# Altium PCB lamp_controller.PcbDoc (part 3 of 3)
Units mm, origin at the board's own origin, x right, y up, seen from the top; angles counter-clockwise.
Board outline 70 x 65 mm, 4 copper layers (Top Layer, Signal Layer 1, Signal Layer 2, Bottom Layer), stack 1.518 mm thick; 211 components, 110 nets, 730 pads, 417 vias.
Unrouted connection lines stored in the file: 21.
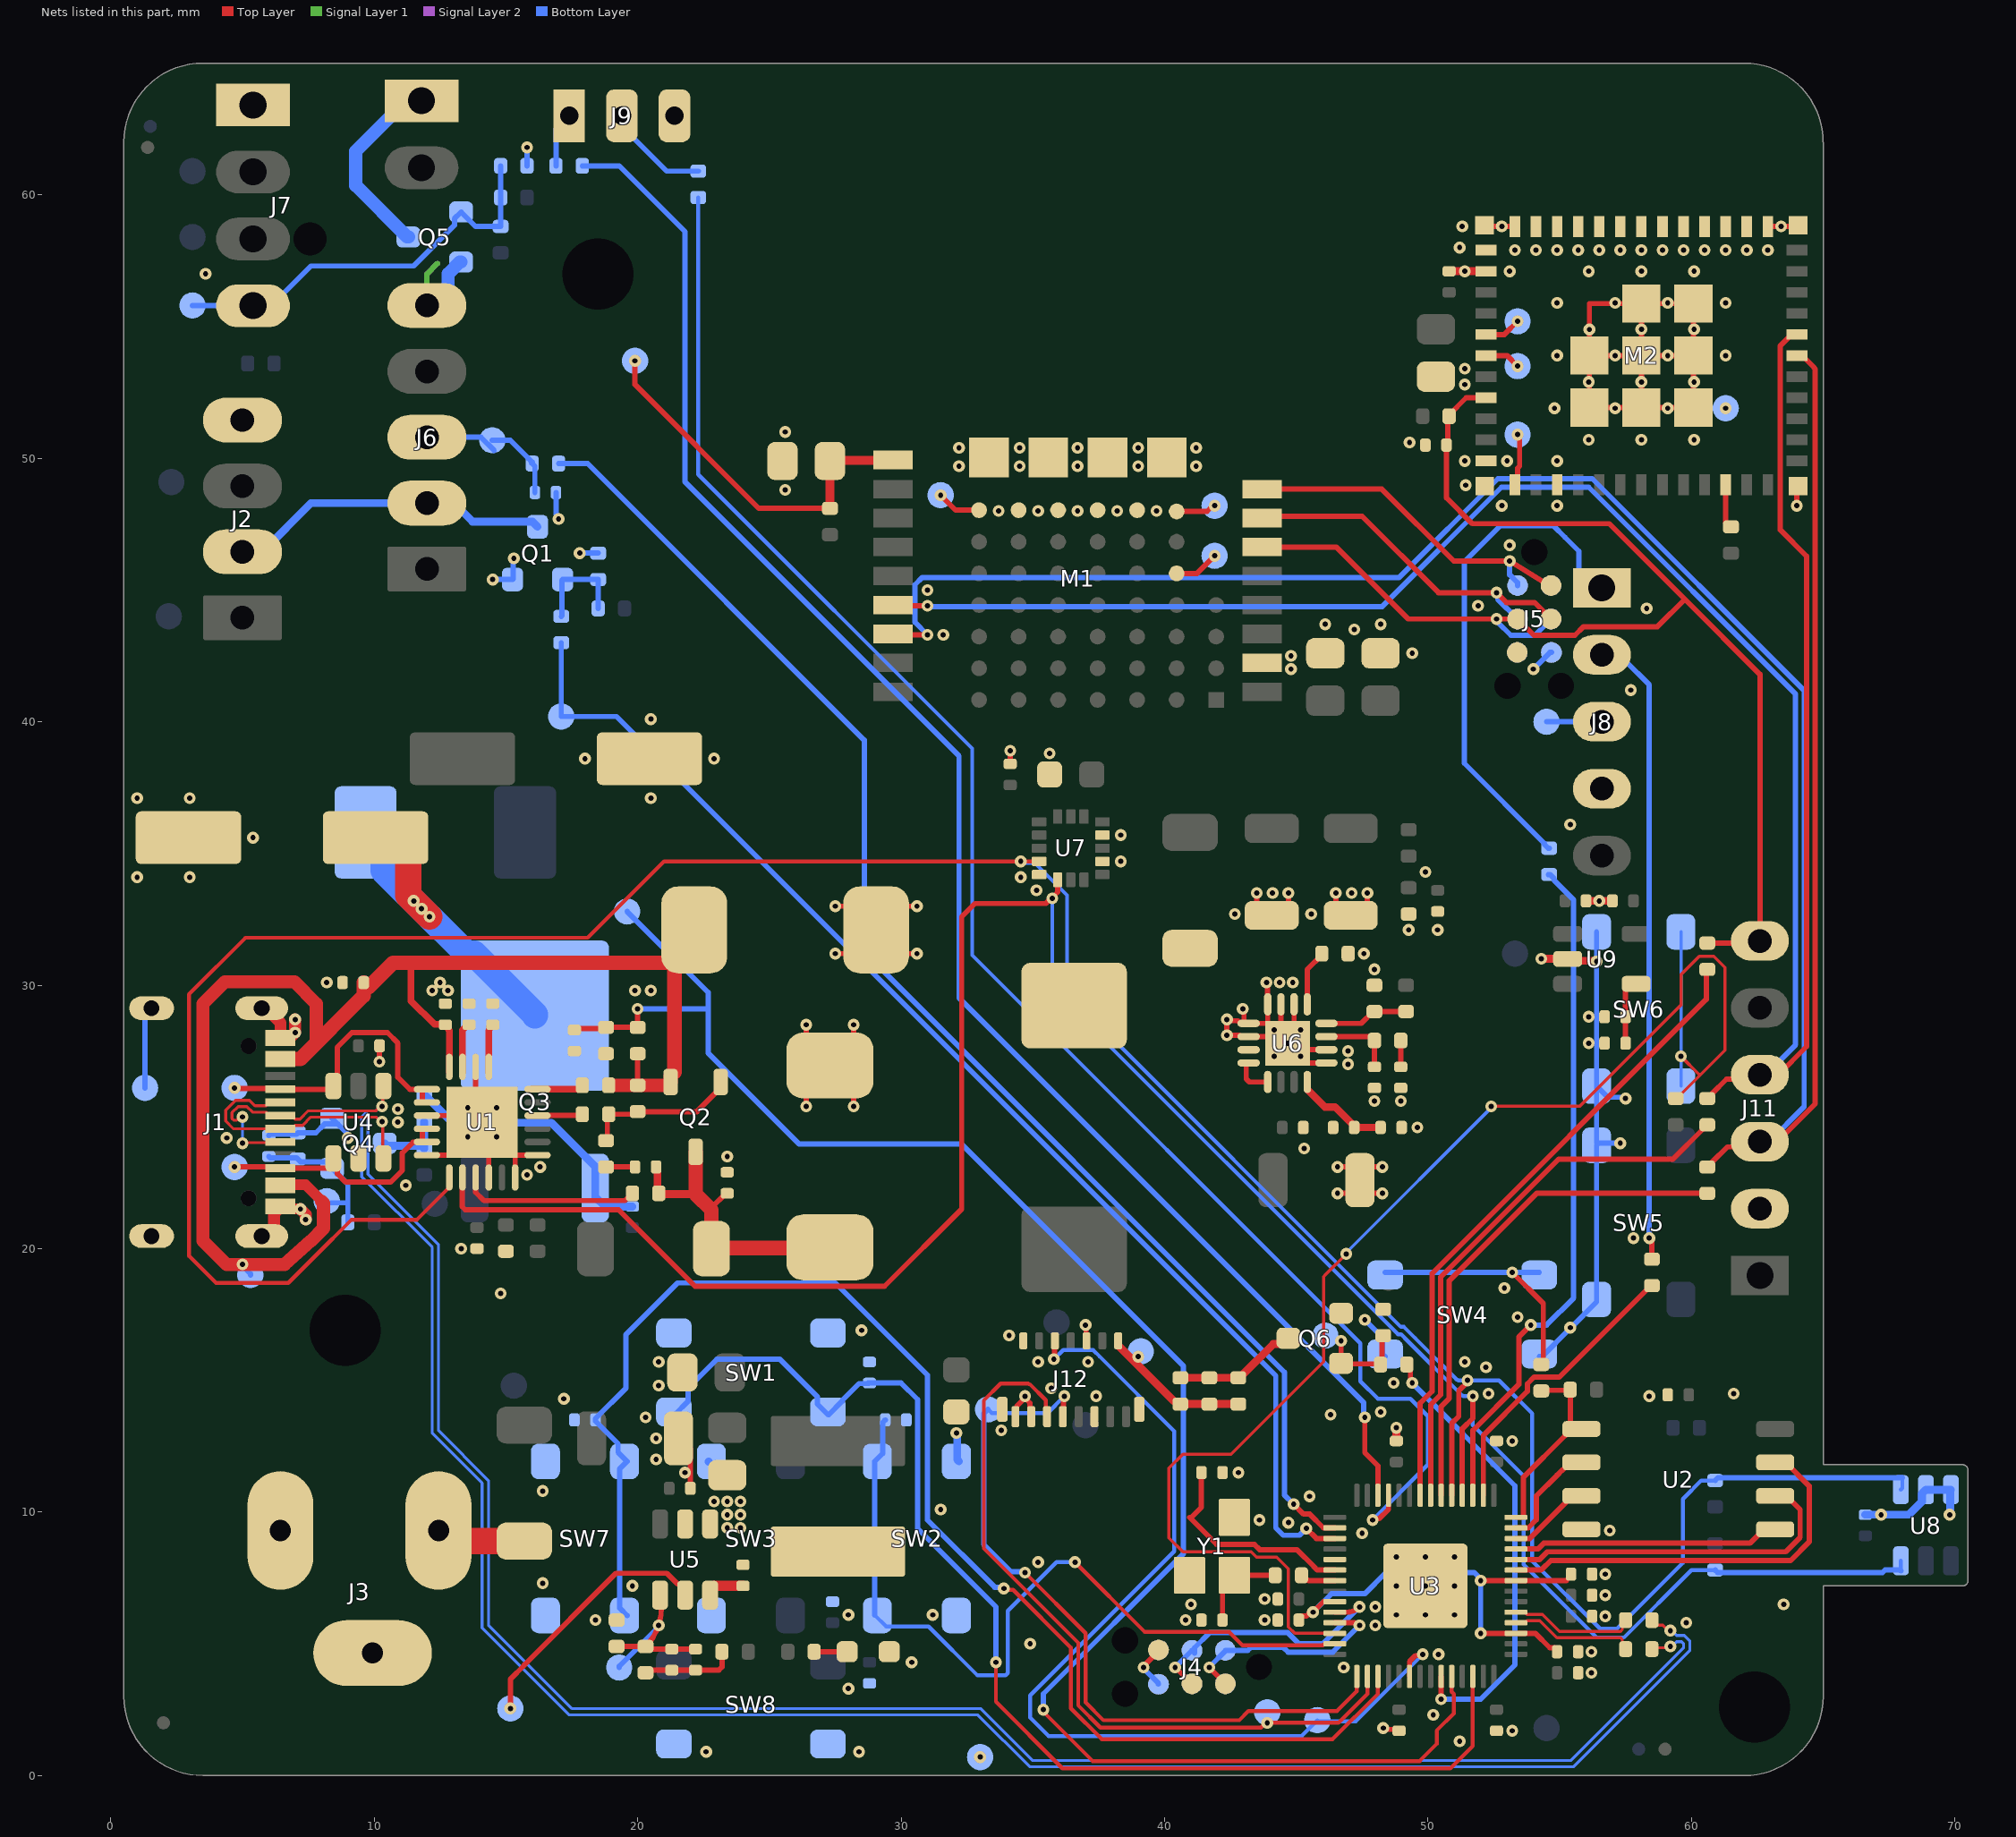
[diagram p5: the nets of this part, all layers, seen from the top]

## Via types
v1: diameter 0.45, hole 0.2, Top Layer to Bottom Layer, tented both sides, 399 vias
v2: diameter 0.45, hole 0.2, Top Layer to Bottom Layer, 9 vias
v3: diameter 0.5, hole 0.2, Top Layer to Bottom Layer, 9 vias

## Nets (pads, with @x,y where several pads share a name; then routed paths per layer and width w, separated by ;. In a path a pad name is that pad's centre, name@x,y a point inside that pad or via, vN(x,y) a via of type N, cw(c..) or ccw(c..) an arc to the next point about the centre after c; other vN are vias at no path point) (continued)
GND: C1.1 C2.1 C4.1 C5.1 C6.1 C7.1 C8.1 C9.1 C10.1 C11.1 C12.1 C13.1 C14.1 C15.1 C16.1 C17.1 C18.1 C19.1 C20.1 C21.1 C22.1 C23.1 C25.1 C26.1 C29.1 C30.1 C31.1 C32.1 C33.1 C34.1 C35.1 C36.1 C37.1 C38.1 C39.1 C40.1 C41.1 C42.1 C43.1 C44.1 C45.1 C46.1 C47.1 C48.1 C49.1 C50.1 C51.1 C52.1 C53.1 C54.1 C55.2 C56.2 C57.1 C58.1 C59.1 C60.1 C62.1 C63.1 D2.2 D3.2 J1.A1/B12 J1.B1/A12 J1.MP@1.55,20.475 J1.MP@1.55,29.125 J1.MP@5.73,20.475 J1.MP@5.73,29.125 J2.4 J3.2 J3.3 J4.5 J5.5 J6.5 J7.1 J8.4 J9.3 J11.2 J12.5 J12.6 J12.13 J12.14 J12.15 J12.MP LED0.2 M1.10 M1.A0 M1.B0 M1.C0 M1.D0 M1.H0 M1.H1 M1.H2 M1.H3 M2.1 M2.2 M2.11 M2.14 M2.36 M2.37 M2.38 M2.39 M2.40 M2.41 M2.42 M2.43 M2.44 M2.45 M2.46 M2.47 M2.48 M2.49 M2.50 M2.51 M2.52 M2.53 Q1.2 Q4.2 Q5.2 Q6.2 R6.1 R18.1 R21.1 R27.1 R30.1 R35.2 R39.1 R40.2 R41.1 R53.2 SW1.1 SW1.2 SW2.1 SW2.2 SW3.1 SW3.2 SW4.3 SW4.4 SW5.3 SW5.4 SW6.1 SW6.2 SW7.1 SW7.2 SW8.1 SW8.2 TP4.1 TP10.1 TP38.1 U1.3 U1.6 U1.10 U1.12 U1.13 U1.22 U1.PAD U2.4 U3.19 U3.EP U4.2 U5.1 U6.5 U6.6 U6.10 U6.11 U6.12 U6.13 U6.14 U6.PAD U7.5 U7.10 U7.12 U8.2 U8.3 U9.2 Y1.2 Y1.4 | length 138.4
  Top Layer w0.2: v1(10.2,27.1) C7.1@10.2,27.7 ; U1.6@12.2,23.55 12.85,23.55 U1.PAD@14.1,24.8 ; U1.3@12.2,25.05 U1.PAD@13.85,25.05 ; U1.22@13.86,26.71 13.85,26.7 U1.PAD@13.85,25.05 ; U1.10@14.35,22.9 14.35,24.55 U1.PAD@13.85,25.05 ; U1.12@15.35,22.9 U1.PAD@15.35,23.55 ; U1.13@16,23.55 U1.PAD@15.35,23.55 ; C22.1@21.55,12.8 cw(c21.55,12.35) 22,12.35 C23.1@22,10.9 ; v1(26.4,25.4) 26.4,26.05 D3.2@27.3,26.95 ; v1(26.4,28.5) 26.4,27.85 D3.2@27.3,26.95 ; v1(27.5,31.2) 28.15,31.2 D2.2@29.05,32.1 ; v1(27.5,33) 28.15,33 D2.2@29.05,32.1 ; v1(28.2,25.4) 28.2,26.05 D3.2@27.3,26.95 ; v1(28.2,28.5) 28.2,27.85 D3.2@27.3,26.95 ; v1(30.6,31.2) 29.95,31.2 D2.2@29.05,32.1 ; v1(30.6,33) 29.95,33 D2.2@29.05,32.1 ; C35.1@34.14,38.4 v1(34.14,38.9) ; J12.15@34.34,13.625 34.39,13.675 34.39,14.022 v1@34.7,14.332 ; v1(34.7,14.4) v1@34.7,14.332 ; J12.13@34.94,13.625 34.89,13.675 34.89,14.142 v1@34.7,14.332 ; v1(37,17.1) 37.02,17.08 37.02,16.52 J12.6@37.04,16.5 ; v1(39.2,4.1) 39.2,4.148 39.77,4.718 J4.5@39.77,4.766 ; v1(42.967,29.1) 43.015,29.052 43.015,28.587 U6.13@43.052,28.55 ; v1(43.5,33.5) 43.5,33.087 43.937,32.65 C31.1@44.067,32.65 44.263,32.65 44.7,33.087 v1(44.7,33.5) ; v1(43.867,30.1) 43.902,30.065 43.902,29.29 U6.12@43.917,29.275 43.917,28.55 U6.13@43.192,28.55 U6.13@43.052,28.55 ; U6.11@44.417,29.275 44.417,28.55 v2(44.167,28.3) 43.917,28.05 U6.14@43.192,28.05 42.885,28.05 42.835,28.1 v1(42.367,28.1) v1(42.367,28.7) 42.415,28.652 42.783,28.652 42.885,28.55 U6.13@43.052,28.55 ; U6.10@44.917,29.275 44.917,28.05 v2(44.667,27.8) ; U6.5@46.142,27.05 45.417,27.05 v2(44.667,27.8) ; U6.6@46.142,27.55 44.917,27.55 v2(44.667,27.8) ; v1(46.5,33.5) 46.5,33.087 46.937,32.65 C32.1@47.067,32.65 47.263,32.65 47.7,33.087 v1(47.7,33.5) ; v1(46.567,22.1) 46.98,22.1 C29.1@47.417,22.537 ; v1(46.567,23.1) 46.98,23.1 C29.1@47.417,22.663 ; v1(48.267,22.1) 47.854,22.1 C29.1@47.417,22.537 ; v1(48.267,23.1) 47.854,23.1 C29.1@47.417,22.663 ; v1(48.3,1.8) 48.348,1.752 48.848,1.752 C9.1@48.9,1.7 ; M2.53@52.145,58.85 52.195,58.8 v1(52.8,58.8) M2.48@53.3,58.8 ; v1@53.952,42.048 v1(54,42) ; M2.49@60.075,53.9 M2.49@58.1,53.9 ; M2.36@62.9,58.8 v1(63.4,58.8) 64,58.8 M2.50@64.05,58.85 ; v1(64,48.2) 64,48.9 M2.51@64.05,48.95 ; U1.PAD@13.85,25.05 U1.PAD@14.1,24.8 ; U1.PAD@14.1,24.8 U1.PAD@15.35,23.55 ; C29.1@47.417,22.537 C29.1@47.417,22.6 C29.1@47.417,22.663 ; M2.49@56.125,53.9 M2.49@56.125,55.875 M2.49@58.1,55.875 ; M2.49@56.125,53.9 M2.49@56.125,51.925 M2.49@58.1,51.925 ; M2.49@56.125,53.9 M2.49@58.1,53.9 ; M2.49@58.1,51.925 M2.49@60.075,51.925 M2.49@60.075,55.875 M2.49@58.1,55.875 ; M2.49@58.1,51.925 M2.49@58.1,53.9 ; M2.49@58.1,53.9 M2.49@58.1,55.875
  Top Layer w0.3: C12.1@48.8,12.7 v1(48.8,13.2) ; C49.1@50.8,57.1 M2.2@52.2,57.1 ; v1(54.3,31) U9.2@55.3,31 55.371,30.929 56.371,30.929 v1(56.4,30.9) ; C57.1@56,33.2 v1(56.5,33.2) C58.1@57,33.2
  Top Layer w0.4: J1.B1/A12@6.3,21.5 6.31,21.51 7.19,21.51 v1(7.2,21.5)
  Top Layer w0.45: J1.MP@5.447,20.475 5.992,20.475 6.2,20.683 6.2,21.34 J1.B1/A12@6.3,21.44 ; J1.MP@5.892,29.125 6.44,28.577 J1.A1/B12@6.44,27.925 ; J1.A1/B12@6.44,28.075 6.875,28.075 v1(7,28.2) v1(7,28.7) ; v1(7.2,21.5) 7.4,21.3 v1(7.4,21.1)
  Signal Layer 2 w0.203: J6.5@12,55.8 12,57 12.4,57.4
  Signal Layer 1 w0.203: J6.5@12,55.8 12,57 12.4,57.4
  Bottom Layer w0.2: TP4.1@1.3,26.1 1.3,28.875 J1.MP@1.55,29.125 ; C62.1@6,24.3 6.05,24.35 7.05,24.35 R41.1@7.1,24.4 7.786,24.4 8.118,24.732 Q4.2@8.618,24.732 ; Q4.2@8.4,24.95 8.4,24.947 8.953,24.394 8.953,24.247 v1(9,24.2) ; v1(14.5,45.4) Q1.2@15.25,45.4 15.275,45.425 15.275,46.175 v1(15.3,46.2) ; R35.2@15.8,61.1 v1(15.8,61.8) ; v1(17.8,46.4) R40.2@18.5,46.4 ; v1(39.2,4.1) 39.2,4.068 39.77,3.498 J4.5@39.77,3.466 ; v1(47.6,17.3) 48.267,16.633 48.267,16.008 SW4.4@48.375,15.9 ; v1(54,42) 54.63,42.63 J5.5@54.685,42.63 ; SW4.3@54.225,15.9 54.325,15.9 55.4,16.975 v1(55.4,17) 55.425,17 56.4,17.975 SW5.3@56.4,18.075 SW5.4@56.4,23.925 56.475,24 v1(57.3,24) ; SW5.4@56.4,24 SW6.2@56.4,26.175 ; SW6.1@56.4,32.025 SW6.2@56.4,26.175 ; v1(57.5,25.7) 57.452,25.748 56.827,25.748 SW6.2@56.4,26.175
  Bottom Layer w0.203: C36.1@16.9,48.7 16.9,47.867 17,47.767 v1(17,47.7)
  Bottom Layer w0.3: v1(21.8,11.5) v1@21.829,11.529 ; SW3.1@22.7,11.919 SW3.1@22.7,11.925 ; v1(32.1,13) 32.129,12.971 32.129,11.996 SW2.2@32.2,11.925 ; C54.1@66.6,9.9 v1(67.2,9.9) 68.25,9.9 68.75,10.4 68.75,10.7 U8.2@68.9,10.85 U8.3@69.85,10.85 69.825,10.825 69.825,9.925 v1(69.8,9.9)
  Bottom Layer w0.5: J6.5@12,55.8 12.246,55.8 12.8,56.354 12.8,57 13.25,57.45 Q5.2@13.3,57.45
  other v1: 33,0.7 22.6,0.9 28.4,0.9 51.2,1.3 53.2,1.7 50.2,2.3 28,3.3 56.2,3.9 46.8,4.1 30.4,4.3 50.4,4.6 56.2,4.7 34.9,5 48,5.7 59.8,5.8 18.4,5.9 40.8,5.9 43.8,5.9 56.727,6.045 28,6.1 31.2,6.1 48,6.4 41,6.5 63.5,6.5 43.8,6.7 56.727,6.845 19.8,7.2 16.4,7.3 56.727,7.645 35.2,8.1 47.5,9.2 56.9,9.3 23.4,9.4 23.9,9.4 44.7,9.6 43.6,9.7 23.4,9.9 23.9,9.9 31.5,10.1 22.9,10.4 23.4,10.4 23.9,10.4 45.5,10.6 16.4,10.8 42.8,11.5 20.7,12 53.2,12.7 20.7,12.8 33.8,13.1 20.3,13.6 46.3,13.7 48.2,13.8 17.2,14.3 37.4,14.4 58.4,14.4 52.3,14.5 61.6,14.5 35.7,14.7 20.8,14.8 48.7,14.9 52.2,15.5 20.8,15.7 35.2,15.7 37.1,15.7 51.4,15.7 34.1,16.7 28.5,16.9 53.4,17.4 14.8,18.3 52.9,18.5 13.3,20 57.8,20.4 11.2,22.4 15.8,22.8 16.3,23.1 23.4,23.5 45.3,23.8 4.4,24.2 49.6,24.6 10.9,24.8 10.9,25.3 47.967,25.6 48.967,25.6 46.967,27 46.967,27.5 56.1,27.8 56.1,28.8 12.2,29.8 12.8,29.8 19.9,29.8 20.5,29.8 8.2,30.1 12.5,30.1 44.367,30.1 44.867,30.1 47.967,30.6 47.567,31.2 49.267,32.1 50.367,32.1 42.667,32.7 45.567,32.7 44.1,33.5 47.1,33.5 35.14,33.6 1,34.1 3,34.1 34.54,34.1 49.9,34.3 38.34,34.7 5.4,35.6 38.34,35.7 55.4,36.1 1,37.1 3,37.1 20.5,37.1 18,38.6 22.9,38.6 35.64,38.8 20.5,40.1 57.7,41.2 44.8,42 44.8,42.5 49.4,42.6 31.6,43.3 47.2,43.5 46.1,43.7 48.2,43.7 58.3,44.3 51.9,44.4 31,45 53.1,46.7 33.7,48 35.2,48 36.7,48 38.2,48 39.7,48 52.8,48.2 54.9,48.2 25.6,48.8 51.429,48.978 32.2,49.7 34.5,49.7 36.7,49.7 39,49.7 41.2,49.7 51.4,49.9 53,49.9 54.9,49.9 32.2,50.4 34.5,50.4 36.7,50.4 39,50.4 41.2,50.4 49.3,50.6 56.1,50.7 58.1,50.7 60.1,50.7 25.6,51 54.8,51.9 57.1,51.9 59.1,51.9 61.3,51.9 51.4,52.8 56.1,52.9 58.1,52.9 60.1,52.9 51.4,53.4 54.9,53.9 57.1,53.9 59.1,53.9 61.3,53.9 56.125,54.888 58.1,54.9 60.1,54.9 54.9,55.9 57.1,55.9 59.1,55.9 61.3,55.9 3.6,57 51.4,57.1 53.1,57.1 56.1,57.1 58.1,57.1 60.1,57.1 53.3,57.9 54.1,57.9 54.9,57.9 55.7,57.9 56.5,57.9 57.3,57.9 58.1,57.9 58.9,57.9 59.7,57.9 60.5,57.9 61.3,57.9 62.1,57.9 62.9,57.9 51.2,58 51.3,58.8
  other v2: 13.55,24.25 14.65,24.25 13.55,25.35 14.65,25.35 44.167,27.3 45.167,27.3 45.167,28.3
  other v3: 48.8,6.1 49.9,6.1 51,6.1 48.8,7.2 49.9,7.2 51,7.2 48.8,8.3 49.9,8.3 51,8.3
LAMP_ENABLE: R7.1 TP7.1 U3.17 | length 48.7
  Top Layer w0.2: v1(45.379,9.379) 45.383,9.379 45.762,9 U3.17@46.462,9
  Bottom Layer w0.2: R7.1@17.1,43 TP7.1@17.1,40.2 19.2,40.2 44.223,15.177 44.223,9.402 44.502,9.123 45.123,9.123 v1(45.379,9.379)
LAMP_PWM: R22.1 U3.16 | length 53.6
  Top Layer w0.2: v1(44.9,10.3) 45.278,9.922 45.511,9.922 46.033,9.4 U3.16@46.462,9.4
  Bottom Layer w0.2: R22.1@17,49.8 18.104,49.8 28.6,39.304 28.6,31.262 44.55,15.313 44.55,10.65 v1(44.9,10.3)
LAMP_REMOTE: J2.2 J6.2 Q1.3 | length 12.3
  Bottom Layer w0.3: J2.2@5,46.45 5.75,46.45 7.6,48.3 13.029,48.3 13.729,47.6 16,47.6 Q1.3@16.2,47.4
LCD_BACKLIGHT: R52.1 U3.37 | length 17.3
  Top Layer w0.2: R52.1@49.2,15.6 49.335,15.465 49.335,15.033 49.4,14.968 v1(49.4,14.9) ; v1(50.5,2.9) U3.37@50.5,3.762
  Bottom Layer w0.2: v1(49.4,14.9) 53.3,11 53.3,4.2 52,2.9 v1(50.5,2.9)
LCD_D/C: J12.10 TP33.1 U3.34 | length 37.5
  Top Layer w0.2: v1(35.8,15.8) 35.82,15.82 35.82,16.48 J12.10@35.84,16.5 ; U3.34@49.3,3.762 49.3,4.329 49.524,4.552 49.752,4.552 v1(49.8,4.6)
  Bottom Layer w0.15: v1(35.8,15.8) 36.152,16.152 37.287,16.152 37.552,15.887 40.369,13.071 40.369,8.508 34.9,3.039 34.9,2.2 35.6,1.5 45.2,1.5 TP33.1@45.8,2.1 45.839,2.061 47.261,2.061 v1(49.8,4.6)
LCD_SCLK: J12.9 TP34.1 U3.29 | length 29
  Top Layer w0.15: v1(34.7,7.7) 37,5.4 37,2.778 37.677,2.1 42.838,2.1 43.19,2.452 46.552,2.452 47.3,3.2 U3.29@47.3,3.762 ; J12.9@36.14,13.375 J12.9@36.14,13.625
  Top Layer w0.2: J12.9@36.14,13.625 36.17,13.655 36.17,14.37 v1(36.2,14.4)
  Bottom Layer w0.15: TP34.1@33.3,13.9 33.443,13.757 35.557,13.757 v1(36.2,14.4)
  Bottom Layer w0.203: TP34.1@33.3,13.9 33.148,13.748 33.148,13.392 33.138,13.383 33.138,12.432 33.138,8.768 34.17,7.736 34.664,7.736 v1(34.7,7.7)
LCD_SDA: J12.11 TP32.1 U3.30 | length 29.1
  Top Layer w0.15: J12.11@35.54,13.625 35.49,13.675 35.49,14.25 34.887,14.852 34.848,14.852 34.823,14.877 33.777,14.877 33.14,14.24 33.14,8.62 36.723,5.037 36.723,2.985 36.723,2.663 37.563,1.823 43.662,1.823 43.839,2 46.6,2 47.7,3.1 U3.30@47.7,3.762
  other v1: 43.9,2
LEFT: C43.2 SW2.3 SW2.4 U3.27 | length 30.5
  Top Layer w0.15: v1(36.6,8.1) 39.252,5.448 42.456,5.448 42.956,4.948 46.012,4.948 46.04,4.975 46.437,4.975 U3.27@46.462,5
  Bottom Layer w0.15: SW2.3@29,6.092 29.435,5.656 31.044,5.656 32.9,3.8 33.965,3.8 34.052,3.888 34.052,6.252 35.9,8.1 v1(36.6,8.1)
  Bottom Layer w0.2: SW2.3@29,6.092 29,11.925 29.3,12.225 29.3,13.4 C43.2@29.4,13.5
MMWAVE_RX: R38.1 U3.2 | length 11.2
  Top Layer w0.2: U3.2@52.1,10.637 52.1,12.912 53.773,14.585 53.773,14.871 54.025,15.123 54.987,15.123 58.464,18.6 R38.1@58.5,18.6
MMWAVE_TX: R37.1 U3.3 | length 25.9
  Top Layer w0.2: U3.3@51.7,10.637 51.7,13.1 53.446,14.846 53.446,16.646 v1(53.9,17.1)
  Bottom Layer w0.2: v1(53.9,17.1) 54.5,17.1 55.527,18.127 55.527,33.237 54.785,33.979 54.785,34.052 54.636,34.2 R37.1@54.564,34.2
NetC2_2: C2.2 C3.1 D1.2 D3.1 Q2.3 R9.2 | length 11.8
  Top Layer w0.2: C3.1@20.7,23.1 C3.1@20.75,23.05 ; R9.2@20.75,22.15 R9.2@20.8,22.1 ; 22.8,21.47 22.8,21.55 23.35,22.1 C2.2@23.4,22.1
  Top Layer w0.3: R9.2@20.75,22.15 C3.1@20.75,23.05 ; R9.2@20.8,22.1 20.83,22.07 22.2,22.07
  Top Layer w0.55: Q2.3@22.2,23.675 22.2,22.07 22.8,21.47 D1.2@22.8,20 22.825,20.025 27.275,20.025 D3.1@27.3,20.05
NetC3_2: C3.2 R5.2 | length 1.1
  Top Layer w0.2: R5.2@18.8,23.1 C3.2@19.9,23.1
NetC5_2: C5.2 U1.21 | length 1.9
  Top Layer w0.25: U1.21@14.35,26.7 14.35,28.279 14.375,28.304 14.375,28.425 14.45,28.5 C5.2@14.5,28.5
NetC6_2: C6.2 U1.23 | length 1.9
  Top Layer w0.25: U1.23@13.35,26.7 13.35,28.3 13.55,28.5 C6.2@13.6,28.5
NetC17_2: C17.2 C18.2 C19.2 U3.23 U3.45 U3.50 | length 17.6
  Top Layer w0.2: C18.2@45.1,5.9 45.1,5.95 45.2,6.05 45.382,6.05 45.532,6.2 v1(45.633,6.2) 46.033,6.6 U3.23@46.462,6.6 ; v1(52,5.4) U3.45@53.337,5.4 54.075,5.4 54.625,4.85 54.8,4.85 54.892,4.758 C17.2@54.892,4.708 ; v1(52,7.4) U3.50@53.337,7.4 55.25,7.4 55.25,7.417 55.427,7.595 C19.2@55.427,7.645
  Bottom Layer w0.2: v1(45.633,6.2) 46.333,6.9 47.6,6.9 48.402,7.702 51.758,7.702 52,7.46 v1(52,5.4)
NetC20_2: C20.2 U3.20 Y1.1 | length 8.2
  Top Layer w0.2: Y1.1@40.95,9.8 40.984,9.766 ; C20.2@41.4,11.5 41.4,10.181 40.984,9.766 ; U3.20@46.462,7.8 45.794,7.8 45.677,7.917 45.677,7.921 45.023,8.575 43.611,8.575 43.411,8.774 41.976,8.774 40.984,9.766
NetC21_2: C21.2 R15.1 Y1.3 | length 3.5
  Top Layer w0.2: C21.2@42.2,5.9 42.2,7.05 Y1.3@42.75,7.6 ; Y1.3@42.65,7.6 Y1.3@42.75,7.6 ; R15.1@44.2,7.6 Y1.3@42.75,7.6
NetC24_1: C24.1 L1.1 U5.2
NetC24_2: C24.2 U5.6 | length 1.1
  Top Layer w0.4: U5.6@22.9,7.2 C24.2@24,7.2
NetC27_1: C27.1 C28.1 R17.1 R18.2 TP11.1 U5.4 | length 7.4
  Top Layer w0.2: R18.2@19.2,4.9 R17.1@20.3,4.9 ; U5.4@20.9,6.85 20.9,6.349 cw(c18.851,6.349) R17.1@20.3,4.9 ; C27.1@22.2,4.8 20.541,4.8 cw(c20.541,5.141) R17.1@20.3,4.9
  Bottom Layer w0.2: TP11.1@19.3,4.1 19.3,4.15 20.8,5.65 v1(20.8,5.7)
NetC27_2: C27.2 C28.2 R11.1 R17.2 | length 3.6
  Top Layer w0.2: R17.2@20.3,3.9 cw(c20.541,3.659) 20.541,4 C28.2@21.3,4 C27.2@22.2,4 23.083,4 23.2,4.117 R11.1@23.2,4.7
NetC33_2: C33.2 C63.2 U6.4 | length 3.4
  Top Layer w0.28: U6.4@45.417,26.04 46.082,25.375 46.475,25.375 47.2,24.65 C33.2@47.2,24.6 C63.2@48.2,24.6
NetC36_2: C36.2 J6.3 R22.2 TP23.1 | length 5.9
  Bottom Layer w0.2: J6.3@12,50.8 14.054,50.8 TP23.1@14.554,50.3 ; TP23.1@14.482,50.685 15.165,50.685 15.859,49.991 16,49.85 R22.2@16,49.8 ; R22.2@15.975,49.825 16.1,49.7 C36.2@16.1,48.7
NetC37_2: C37.2 R29.1 | length 1
  Top Layer w0.2: C37.2@48.967,26.9 R29.1@48.967,27.9
NetC38_2: C38.2 R29.2 U6.7 | length 2.9
  Top Layer w0.2: U6.7@46.142,28.05 47.857,28.05 47.967,27.94 R29.2@47.967,27.9 C38.2@47.967,26.9
NetC41_2: C41.2 M1.17 R13.2 TP12.1 | length 14.5
  Top Layer w0.2: v1(19.9,53.7) 19.9,52.8 24.6,48.1 R13.2@27.3,48.1
  Top Layer w0.35: R13.2@27.3,48.1 C41.2@27.3,49.9 27.319,49.919 29.678,49.919 M1.17@29.697,49.937
NetC55_1: C55.1 L3.1 Q3.2 | length 14.1
  Top Layer w1: C55.1@10.05,35.6 10.8,35.6 11.3,35.1 11.3,33.4 v1(12.1,32.6)
  Bottom Layer w1: L3.1@9.675,35.8 10.35,35.125 10.35,34.35 v1(11.5,33.2) v1(11.8,32.9) 13.5,31.2 13.784,31.2 16.1,28.884 Q3.2@16.1,28.85
NetC59_2: C59.2 C60.2 U9.4 | length 2.5
  Top Layer w0.2: C60.2@57.5,27.8 C59.2@57.5,28.8 57.5,29.854 57.696,30.05 U9.4@57.9,30.05
NetC61_1: C61.1 Q3.1 R54.2 | length 10.3
  Bottom Layer w0.3: R54.2@11.9,25.8 11.95,25.8 12.973,24.777 16.723,24.777 18.39,23.11 Q3.1@18.39,22.3 18.39,21.966 18.756,21.6 C61.1@19.8,21.6
NetC62_2: C62.2 Q4.1 R16.2 R41.2 TP41.1 | length 5.7
  Bottom Layer w0.2: C62.2@6,23.5 6.05,23.45 7.05,23.45 7.212,23.288 8.162,23.288 9,22.45 R16.2@9,21 ; TP41.1@8.2,21.8 8.261,21.739 9,21.739
NetD4_2: D4.2 J3.1 | length 3.4
  Top Layer w1: J3.1@12.44,9.3 12.84,8.9 D4.2@15.7,8.9
NetD5_2: D5.2 L2.2 U6.1 U6.15 U6.16 | length 1.5
  Top Layer w0.2: U6.16@43.192,27.05 43.137,27.05 43.1,27.013 43.1,26.442 43.217,26.325 U6.1@43.917,26.325
NetJ7_4: J7.4 Q5.1 R23.2 R34.2 R35.1 TP31.1 | length 15.9
  Bottom Layer w0.2: TP31.1@3.1,55.8 3.105,55.795 5.395,55.795 J7.4@5.4,55.79 6.09,55.79 7.6,57.3 11.5,57.3 13.046,58.846 13.046,59.096 Q5.1@13.3,59.35 13.85,58.8 R23.2@14.8,58.8 R34.2@14.8,59.9 R35.1@14.8,61.1
NetJ8_1: J8.1 R37.2 | length 19.4
  Bottom Layer w0.2: R37.2@54.6,35.2 54.564,35.2 54.415,35.348 54.415,35.385 51.377,38.423 51.377,46.077 52.736,47.436 54.764,47.436 55.2,47 55.728,46.472 55.728,45.73 56.378,45.08 J8.1@56.6,45.08
NetJ8_2: J8.2 R38.2 | length 24.3
  Top Layer w0.2: v1(58.4,20.4) 58.4,20.332 58.5,20.232 R38.2@58.5,19.6
  Bottom Layer w0.2: J8.2@56.355,42.408 56.442,42.321 57.479,42.321 58.4,41.4 v1(58.4,20.4)
NetJ8_3: J8.3 TP21.1 | length 2.1
  Bottom Layer w0.2: TP21.1@54.5,40 J8.3@56.6,40
NetJ9_1: J9.1 R42.2 | length 2.1
  Bottom Layer w0.2: R42.2@16.9,61.1 16.9,62.5 J9.1@17.4,63
NetJ9_2: J9.2 R43.2 | length 4
  Bottom Layer w0.2: J9.2@19.4,63 19.4,62.6 21.1,60.9 R43.2@22.3,60.9
NetJ10_1: J10.1 Q5.3 | length 7.4
  Bottom Layer w0.5: Q5.3@11.3,58.4 11.25,58.4 9.3,60.35 9.3,61.66 11.21,63.57 J10.1@11.8,63.57
NetJ12_2: J12.2 R49.1 R50.1 R51.1 TP37.1 | length 6
  Top Layer w0.2: 38.682,15.882 38.982,15.882 v1(39,15.9)
  Top Layer w0.3: J12.2@38.24,16.5 38.24,16.325 38.682,15.882 40.365,14.2 40.5,14.2 R49.1@40.6,14.1 R51.1@42.8,14.1
NetLED0_1: LED0.1 R14.1 | length 1.3
  Top Layer w0.2: R14.1@26.7,4.7 LED0.1@27.95,4.7
NetM1_E0: M1.E0 TP15.1 | length 1.5
  Top Layer w0.2: M1.E0@40.46,47.983 41.616,47.983 41.832,48.2 v1(41.9,48.2)
NetM1_E2: M1.E2 TP17.1 | length 1.7
  Top Layer w0.2: M1.E2@40.46,45.632 41.232,45.632 v1(41.9,46.3)
NetM1_Z0: M1.Z0 TP18.1 | length 1.7
  Top Layer w0.2: v1(31.5,48.6) 32.068,48.032 M1.Z0@32.96,48.032
NetM2_5: M2.5 TP14.1 | length 1.4
  Top Layer w0.2: M2.5@52.2,54.7 52.9,54.7 v1(53.4,55.2)
NetM2_6: M2.6 TP16.1 | length 1.4
  Top Layer w0.2: M2.6@52.2,53.9 53,53.9 v1(53.4,53.5)
NetM2_12: M2.12 TP5.1 | length 2
  Top Layer w0.2: M2.12@53.3,49 53.4,49.1 53.4,49.625 53.477,49.702 53.477,50.755 53.4,50.832 v1(53.4,50.9)
NetM2_22: M2.22 R44.1 | length 1.7
  Top Layer w0.2: M2.22@61.3,49 61.3,47.564 61.464,47.4 R44.1@61.5,47.4
NetQ1_1: Q1.1 R3.2 R7.2 R40.1 | length 3.9
  Bottom Layer w0.2: R7.2@17.1,44 17.125,44.025 17.125,45.375 Q1.1@17.15,45.4 R40.1@18.5,45.4 R3.2@18.5,44.3
NetQ2_1: Q2.1 R2.1 R5.1 R8.2 | length 5.9
  Top Layer w0.2: R5.1@18.8,24.1 18.85,24.15 18.85,25.05 R8.2@18.9,25.1 R2.1@20,25.1 ; R2.1@20,25.2 22.25,25.2 23.15,26.1 Q2.1@23.15,26.325
NetQ4_3: Q4.3 R10.1 R54.1 | length 2.6
  Bottom Layer w0.3: Q4.3@10.4,24 10.5,23.9 11.8,23.9 R10.1@11.9,23.8 R54.1@11.9,24.8
NetQ6_1: Q6.1 R52.2 R53.1 TP43.1 | length 3.5
  Top Layer w0.2: v1(46.7,16.5) Q6.1@46.7,15.65 46.725,15.625 48.175,15.625 R52.2@48.2,15.6 48.25,15.65 48.25,16.65 R53.1@48.3,16.7
NetQ6_3: Q6.3 R49.2 R50.2 R51.2 | length 4.7
  Top Layer w0.3: R49.2@40.6,15.1 R50.2@41.7,15.1 R51.2@42.8,15.1 42.85,15.1 44.131,16.381 44.481,16.381 Q6.3@44.7,16.6
NetR4_1: R4.1 U1.18 | length 2
  Top Layer w0.25: U1.18@16,26.05 17.775,26.05 17.9,26.175 R4.1@17.9,26.2
NetR8_1: R8.1 U1.16 | length 1.9
  Top Layer w0.2: U1.16@16,25.05 16.01,25.06 17.86,25.06 R8.1@17.9,25.1
NetR9_1: R9.1 U1.9 | length 7
  Top Layer w0.2: U1.9@13.85,22.9 13.85,22.14 14.167,21.823 16.278,21.823 19.523,21.823 19.615,21.915 19.652,21.915 19.8,22.064 R9.1@19.8,22.1
NetR15_2: R15.2 U3.21 | length 1.3
  Top Layer w0.2: R15.2@45.2,7.564 45.348,7.415 45.452,7.415 45.467,7.4 U3.21@46.462,7.4
NetR24_2: R24.2 SW4.1 SW4.2 | length 9.9
  Top Layer w0.2: v1(53.2,19.1) 54.377,17.923 54.377,15.677 R24.2@54.3,15.6
  Bottom Layer w0.2: SW4.2@48.375,19.1 SW4.1@54.225,19.1
NetR28_1: R28.1 R39.2 U6.8 | length 3.2
  Top Layer w0.2: U6.8@46.142,28.55 47.467,28.55 47.917,29 R39.2@47.967,29 R28.1@49.167,29
NetR30_2: R30.2 U6.9 | length 2.2
  Top Layer w0.2: U6.9@45.417,29.275 45.417,30.6 45.967,31.15 R30.2@45.967,31.2
NetR46_1: R46.1 U3.8 | length 24.5
  Top Layer w0.2: U3.8@49.7,10.637 49.7,14.133 50.154,14.588 50.154,19.054 60.564,29.464 60.564,30.6 R46.1@60.6,30.6
NetR47_1: R47.1 U3.6 | length 19.4
  Top Layer w0.2: U3.6@50.5,10.637 50.5,14.008 50.808,14.317 50.808,18.783 54.125,22.1 R47.1@60.6,22.1
NetR48_1: R48.1 U3.7 | length 21
  Top Layer w0.2: U3.7@50.1,10.637 50.1,14.071 50.481,14.452 50.481,18.919 54.962,23.4 59.3,23.4 60.415,24.515 60.415,24.552 60.564,24.7 R48.1@60.6,24.7
NetTP8_1: TP8.1 U5.5 | length 9.9
  Top Layer w0.2: v1(15.168,2.545) 15.168,3.656 15.7,4.188 15.7,4.2 19.177,7.677 21.106,7.677 21.514,7.269 21.604,7.269 21.8,7.073 U5.5@21.8,6.85
nRF_SWCLK: J5.4 M1.15 | length 14
  Top Layer w0.2: M1.15@43.707,47.731 43.776,47.8 47.5,47.8 50.4,44.9 52.668,44.9 52.668,44.832 52.979,44.521 54.049,44.521 J5.4@54.67,43.9
  Bottom Layer w0.2: v1(52.6,44.9) 52.648,44.852 52.648,44.652 J5.4@53.4,43.9
nRF_SWDIO: J5.2 M1.16 | length 13.4
  Top Layer w0.2: M1.16@43.707,48.831 48.248,48.831 50.979,46.1 v1(53.1,46.1) 54.626,45.16 J5.2@54.67,45.17
  Bottom Layer w0.2: v1(53.1,46.1) 53.1,45.581 53.4,45.281 J5.2@53.4,45.17
QSPI_SCLK: U2.6 U3.52 | length 13.4
  Top Layer w0.2: U3.52@53.337,8.2 54.238,8.2 54.529,8.491 63.579,8.491 64.127,9.039 64.127,10.095 63.607,10.615 U2.6@63.175,10.615
QSPI_SDO0: U2.5 U3.53 | length 10.1
  Top Layer w0.2: U3.53@53.337,8.6 54.176,8.6 54.394,8.818 60.67,8.818 62.218,8.818 62.745,9.345 U2.5@63.175,9.345
QSPI_SDO1: U2.2 U3.55 | length 4
  Top Layer w0.2: U3.55@53.337,9.4 53.806,9.4 54.11,9.704 54.11,10.61 54.9,11.4 55.074,11.574 cw(c55.825,10.823) U2.2@55.825,11.885
QSPI_SDO2: U2.3 U3.54 | length 3.2
  Top Layer w0.2: U3.54@53.337,9 53.868,9 55.231,10.363 55.231,10.419 55.427,10.615 U2.3@55.825,10.615
QSPI_SDO3: U2.7 U3.51 | length 15.4
  Top Layer w0.2: U3.51@53.337,7.8 54.226,7.8 ccw(c54.226,8) 54.33,7.829 54.665,8.164 63.764,8.164 64.469,8.869 64.469,10.989 63.573,11.885 U2.7@63.175,11.885
QSPI_SS: R12.1 R24.1 U2.1 U3.56 | length 7.4
  Top Layer w0.2: U3.56@53.337,9.8 53.625,9.8 53.625,11.327 55.2,12.902 55.2,12.928 55.374,13.102 U2.1@55.4,13.102 ; R24.1@54.3,14.6 54.325,14.625 55.279,14.625 55.375,14.625 R12.1@55.4,14.65 55.4,13.876 U2.1@55.4,13.102 ; U2.1@55.825,13.155 ccw(c55.825,11.43) U2.1@55.4,13.102
RADIO_ENABLE: C50.2 J5.3 J11.6 M1.14 M2.8 R45.1 R46.2 | length 52.3
  Top Layer w0.2: M1.14@43.707,46.631 46.513,46.631 49.244,43.9 v1(52.6,43.9) J5.3@53.4,43.9 54.021,43.279 55.572,43.279 55.902,43.609 58.709,43.609 59.75,44.65 ; M2.8@52.2,52.3 51.45,52.3 50.8,51.65 R45.1@50.8,51.6 50.75,51.55 50.75,50.55 C50.2@50.7,50.5 50.7,48.5 51.682,47.518 56.882,47.518 59.75,44.65 ; R46.2@60.6,31.6 62.52,31.6 J11.6@62.6,31.68 62.6,41.8 59.75,44.65
  Bottom Layer w0.2: v1(52.6,43.9) 52.648,43.852 52.648,43.775 53.143,43.279 54.049,43.279 J5.3@54.67,43.9 ; J11.6@62.577,31.703 J11.6@62.6,31.68
RADIO_RX: J11.3 M1.6 M2.30 R47.2 | length 94.1
  Top Layer w0.2: M1.6@29.697,43.331 29.728,43.3 v1(31,43.3) ; R47.2@60.6,23.1 60.636,23.1 60.785,23.248 60.785,23.285 61.363,23.863 63.063,23.863 64.7,25.5 64.7,53.317 ccw(c64.5,53.317) 64.642,53.458 64.2,53.9 M2.30@64,53.9
  Bottom Layer w0.2: v1(31,43.3) 30.523,43.777 30.523,45.198 30.802,45.477 48.905,45.477 52.654,49.227 56.235,49.227 64.279,41.183 64.279,25.389 62.95,24.06 J11.3@62.6,24.06
RADIO_TX: J11.4 M1.5 M2.31 R48.2 | length 87
  Top Layer w0.2: M1.5@29.697,44.431 29.728,44.4 v1(31,44.4) ; R48.2@60.6,25.7 60.636,25.7 60.785,25.848 60.785,25.885 61.333,26.433 62.433,26.433 J11.4@62.6,26.6 63.3,26.6 64.373,27.673 64.373,46.281 63.373,47.281 63.373,54.273 63.8,54.7 M2.31@64,54.7
  Bottom Layer w0.2: v1@31,44.382 31.009,44.373 48.263,44.373 52.79,48.9 56.1,48.9 63.952,41.048 63.952,27.737 62.816,26.6 J11.4@62.6,26.6
RIGHT: C52.2 SW7.3 SW7.4 U3.31 | length 54.3
  Top Layer w0.15: v1(33.9,7.1) 33.951,7.049 34.251,7.049 36.446,4.854 36.446,2.871 36.446,2.548 37.611,1.383 37.934,1.383 46.383,1.383 48.1,3.1 U3.31@48.1,3.762
  Bottom Layer w0.2: SW7.4@19.6,6.075 19.323,6.352 19.323,11.648 19.6,11.925 19.258,12.267 19.258,12.592 18.4,13.45 C52.2@18.4,13.5 18.4,13.55 19.559,14.709 19.559,16.741 21.517,18.7 27.5,18.7 31,15.2 31,9.7 33.552,7.148 33.852,7.148 v1(33.9,7.1)
RUN: R36.2 SW6.3 SW6.4 U3.26 | length 56.3
  Top Layer w0.12: U3.26@46.462,5.4 44.944,5.4 44.699,5.645 44.699,7.842 44.254,8.288 43.492,8.288 43.292,8.487 40.699,8.487 40.163,9.023 40.163,11.663 40.7,12.2 42.528,12.2 46.037,15.709 46.037,18.937 46.1,19 v1(46.9,19.8) ; v1(52.4,25.4) 55.756,25.4 59.6,29.244 59.6,30.4 60.298,31.098 60.843,31.098 61.271,30.67 61.271,27.532 60.355,26.616 ; R36.2@59.4,25.7 59.439,25.7 60.355,26.616 ; v1(59.6,27.3) 60.284,26.616 60.355,26.616
  Bottom Layer w0.12: v1(46.9,19.8) 46.9,19.85 52.4,25.35 v1(52.4,25.4) ; SW6.4@59.6,26.175 v1(59.6,27.3) SW6.3@59.6,32.025
SCL: R31.2 U1.7 U3.5 U7.4 U8.1 | length 116.8
  Top Layer w0.15: U1.7@12.85,22.9 U1.7@12.85,22.7 12.85,22.325 11.625,21.1 9.142,21.1 7.744,19.702 7.739,19.702 6.737,18.7 4,18.7 2.975,19.725 2.975,29.658 5.117,31.8 18.1,31.8 21,34.7 v1(34.54,34.7) 35.065,34.7 U7.4@35.24,34.7
  Top Layer w0.2: U3.5@50.9,10.637 50.9,13.362 51.169,13.632 51.169,14.602 51.5,14.932 v1(51.5,15)
  Bottom Layer w0.15: v1(34.54,34.7) 34.588,34.652 35.063,34.652 36.3,33.415 36.3,29.7 48.971,17.029 49.087,17.029 49.529,16.588 51.073,15.044 ccw(c51.178,15.15) 51.178,15 v1(51.5,15) 52.7,15 53.954,13.746 53.954,8.143 56.53,5.567 57.167,5.567 59.673,8.073 59.673,10.498 60.375,11.2 R31.2@60.9,11.2 ; U8.1@67.95,10.85 68.006,10.906 U8.1@68.006,11.303 ; R31.2@60.9,11.2 61.003,11.303 R31.2@60.9,11.2
  Bottom Layer w0.2: R31.2@61.003,11.303 U8.1@68.006,11.303
  Bottom Layer w0.203: R31.2@60.9,11.2 R31.2@61.003,11.303
SDA: R32.2 U1.8 U3.4 U7.6 U8.6 | length 92.5
  Top Layer w0.2: U1.8@13.35,22.9 13.34,22.89 13.34,21.595 13.458,21.477 19.274,21.477 22.178,18.573 29.373,18.573 32.3,21.5 32.3,32.6 32.8,33.1 35.498,33.1 35.698,33.3 v1(35.74,33.3) 35.74,33.333 35.94,33.533 U7.6@35.94,34 ; U3.4@51.3,10.637 51.3,13.162 51.7,13.562 v1(51.7,14.4)
  Bottom Layer w0.15: v1(35.74,33.3) 35.74,29.868 48.856,16.752 48.973,16.752 49.252,16.473 51.281,14.444 ccw(c51.387,14.55) 51.387,14.4 v1(51.7,14.4) 51.7,13.3 53.627,11.373 53.627,8.008 56.394,5.24 57.44,5.24 60,7.8 R32.2@60.9,7.8 ; U8.6@67.95,7.766 U8.6@67.95,8.15 ; R32.2@60.9,7.8 60.997,7.703 R32.2@60.9,7.8
  Bottom Layer w0.2: R32.2@60.997,7.703 67.25,7.703 67.35,7.803 67.913,7.803 U8.6@67.95,7.766
  Bottom Layer w0.203: R32.2@60.9,7.8 R32.2@60.997,7.703
SWCLK: J4.4 U3.24 | length 10.2
  Top Layer w0.2: v1(40.4,4.1) 40.411,4.1 41.03,3.481 J4.4@41.04,3.481 ; U3.24@46.462,6.2 46.917,6.2 ccw(c46.917,6.883) v1(47.4,6.4)
  Bottom Layer w0.2: v1(40.4,4.1) 40.4,4.106 41.04,4.745 J4.4@41.04,4.751 ; J4.4@41.14,4.651 J4.4@41.14,4.745 ; J4.4@41.14,4.751 41.14,4.851 41.712,5.423 44.677,5.423 45.088,5.012 46.012,5.012 v1(47.4,6.4)
SWDIO: J4.2 U3.25 | length 8.4
  Top Layer w0.2: v1(41.7,4.1) 41.7,4.095 42.31,3.485 J4.2@42.31,3.481 ; U3.25@46.462,5.8 47.159,5.8 cw(c47.159,5.459) v1(47.4,5.7)
  Bottom Layer w0.2: v1(41.7,4.1) 41.7,4.121 J4.2@42.32,4.741 ; J4.2@42.31,4.751 43.157,4.751 43.27,4.864 44.508,4.864 44.687,4.685 46.385,4.685 v1(47.4,5.7)
UART_RX: R43.1 U3.11 | length 64.6
  Top Layer w0.2: v1(47.9,9.7) 47.948,9.748 48.148,9.748 48.5,10.1 U3.11@48.5,10.631
  Bottom Layer w0.15: R43.1@22.3,59.9 22.3,49.385 32.7,38.985 32.7,31.14 47.434,16.405 47.434,14.966 48.1,14.3 49.338,14.3 50,13.638 50,11.8 v1(47.9,9.7)
UART_TX: R42.1 U3.12 | length 63.8
  Top Layer w0.2: v1(47.6,13.6) 47.6,12.252 48.1,11.752 U3.12@48.1,10.637
  Bottom Layer w0.2: R42.1@17.9,61.1 19.3,61.1 21.8,58.6 21.8,49.1 32.2,38.7 32.2,29.512 47.562,14.15 47.562,13.638 v1(47.6,13.6)
UP: C42.2 SW1.3 SW1.4 U3.40 | length 47.1
  Top Layer w0.15: v1(33.6,4.3) 33.6,2.8 36.125,0.275 50.85,0.275 51.7,1.125 U3.40@51.7,3.762
  Bottom Layer w0.2: SW1.4@21.375,13.7 21.405,13.7 21.919,14.214 21.919,14.719 23,15.8 25.4,15.8 26.818,14.382 26.818,14.107 27.225,13.7 27.255,13.7 27.769,14.214 27.769,14.244 28.405,14.88 28.78,14.88 C42.2@28.8,14.9 ; C42.2@28.75,14.9 30,14.9 30.627,14.273 30.627,9.373 33.6,6.4 v1(33.6,4.3)
USB0_D+: J1.A6 J1.B6 R25.2 U4.4 | length 84.2
  Top Layer w0.112: v1(5,24) 5.025,24.025 5.975,24.025 J1.B6@6,24.05 ; v1(5,25) 4.909,25 4.782,24.873 4.672,24.873 4.606,24.939 4.606,25.163 4.837,25.394 5.163,25.394 5.376,25.18 5.89,25.18 6.009,25.061 6.409,25.061 6.549,25.056 J1.A6@6.868,25.042 ; J1.A6@6.195,25.05 J1.A6@6.44,25.05 ; J1.A6@6.868,25.058 J1.A6@6.868,25.042 ; U4.4@10.35,26.175 10.325,26.15 10.325,25.425 v1(10.3,25.4) 10.234,25.4 10.065,25.231 7.497,25.231 7.186,24.92 6.99,24.92 J1.A6@6.868,25.042 ; R25.2@58.5,5.9 58.689,5.711 58.915,5.711 59.127,5.5 v1(59.2,5.5)
  Bottom Layer w0.112: v1(5,24) v1(5,25) ; v1(10.3,25.4) 10.234,25.4 10.065,25.231 9.756,25.231 9.527,25.002 9.527,22.726 12.202,20.051 12.202,12.998 14.1,11.1 14.1,5.602 17.399,2.302 32.916,2.302 34.885,0.333 55.529,0.333 59.938,4.743 59.938,5.114 59.732,5.32 59.435,5.32 59.254,5.5 v1(59.2,5.5)
USB0_D-: J1.A7 J1.B7 R26.2 U4.3 | length 81.7
  Top Layer w0.112: J1.A7@6,24.55 4.657,24.55 4.367,24.84 4.367,25.262 4.738,25.633 5.262,25.633 5.476,25.42 5.89,25.42 6,25.53 J1.B7@6,25.55 ; J1.A7@6.86,24.55 6.99,24.68 7.285,24.68 7.596,24.992 10.065,24.992 10.234,24.823 v1(10.3,24.823) 10.325,24.798 10.325,23.45 U4.3@10.35,23.425 ; R26.2@58.5,4.8 58.55,4.85 59.15,4.85 v1(59.2,4.9)
  Bottom Layer w0.112: v1(10.3,24.823) 10.234,24.823 10.065,24.992 9.856,24.992 9.767,24.903 9.767,22.825 12.442,20.15 12.442,13.097 14.339,11.199 14.339,5.701 17.498,2.542 33.015,2.542 34.984,0.573 55.43,0.573 59.699,4.842 59.699,5.014 59.633,5.08 59.435,5.08 59.254,4.9 v1(59.2,4.9)
USB1_D+: R25.1 U3.47 | length 4.8
  Top Layer w0.112: U3.47@53.337,6.2 53.675,6.2 53.755,6.12 54.342,6.12 54.992,5.47 57.308,5.47 57.374,5.536 57.374,5.774 R25.1@57.5,5.9
USB1_D-: R26.1 U3.46 | length 4.8
  Top Layer w0.112: U3.46@53.337,5.8 53.675,5.8 53.755,5.88 54.243,5.88 54.893,5.23 57.308,5.23 57.374,5.164 57.374,4.926 R26.1@57.5,4.8
USB_CC1: J1.A5 TP2.1 U1.1 U1.2 U4.6 | length 11.3
  Top Layer w0.2: v1(4.7,26.1) 4.725,26.075 5.975,26.075 J1.A5@6,26.05 ; J1.A5@6.1,26.05 8.325,26.05 8.6,26.325 8.6,27.645 9.155,28.2 10.5,28.2 10.9,27.8 10.9,26.5 11.35,26.05 U1.1@12,26.05 11.857,26.05 11.834,26.027 11.834,25.884 11.833,25.883 11.833,25.573 11.856,25.55 U1.2@12,25.55
USB_CC2: J1.B5 TP3.1 U1.4 U1.5 U4.1 | length 9.7
  Top Layer w0.2: v1(4.7,23.1) 6.39,23.1 J1.B5@6.44,23.05 8.248,23.05 U4.1@8.45,23.252 ; U4.1@8.45,23.425 U4.1@8.45,23.252 ; U1.5@11.833,24.05 11.823,24.04 11.476,24.04 11.068,23.632 11.068,22.968 10.625,22.525 8.917,22.525 8.602,22.84 8.602,23.1 U4.1@8.45,23.252 ; U1.5@12,24.05 11.856,24.05 11.833,24.073 11.833,24.527 11.856,24.55 U1.4@12,24.55
VBUS: C1.2 C4.2 D2.1 J1.A4/B9 J1.A9/B4 Q2.2 R1.2 R2.2 R4.2 TP1.1 U1.24 | length 55.7
  Top Layer w0.2: R4.2@18.9,26.2 R4.2@18.95,26.15 ; R2.2@19.95,26.25 R2.2@20,26.2 R1.2@20,27.4
  Top Layer w0.25: 11.4,30.85 11.4,29.4 12.289,28.511 12.689,28.511 C4.2@12.7,28.5 12.75,28.5 12.825,28.425 12.825,28.304 12.85,28.279 U1.24@12.85,26.7
  Top Layer w0.3: R4.2@18.95,26.15 R4.2@19,26.2
  Top Layer w0.4: J1.A9/B4@6.44,22.4 6.465,22.425 7.4,22.425 8,21.825 8,21.8
  Top Layer w0.5: 7.8,27.932 7.8,29.3 6.975,30.125 4.326,30.125 3.5,29.299 3.5,20.301 4.401,19.4 v1(5,19.4) 6.594,19.4 7.6,20.3 8.075,20.775 8.075,21.725 8,21.8 ; R4.2@19,26.2 R2.2@19.95,26.2 ; R2.2@19.975,26.2 R2.2@20,26.2 21.225,26.2 21.25,26.225 Q2.2@21.25,26.325
  Top Layer w0.55: J1.A4/B9@6.44,27.2 7.2,27.2 9.6,29.6 C1.2@9.6,30.1 ; C1.2@9.784,29.916 10.718,30.85 11.4,30.85 D2.1@21.25,30.85 ; Q2.2@21.25,26.325 21.25,26.55 21.4,26.7 21.4,31.35 D2.1@22.15,32.1
  Bottom Layer w0.2: v1(5,19.4) 5,19.35 5.3,19.05 TP1.1@5.3,19
VBUS_VSENSE: C45.2 R1.1 R6.2 TP6.1 U3.38 | length 69.6
  Top Layer w0.15: v1(35.4,2.5) 35.4,2.419 37.267,0.552 49.684,0.552 50.329,1.198 50.329,1.705 50.977,2.353 50.977,3.098 50.9,3.175 U3.38@50.9,3.762
  Top Layer w0.2: C45.2@17.6,28.3 17.65,28.35 18.75,28.35 R6.2@18.8,28.4 19.3,28.4 R1.1@20,28.4 v1(20,29.1)
  Bottom Layer w0.2: TP6.1@19.6,32.8 22.673,29.727 22.673,29.1 ; v1(20,29.1) 22.673,29.1 ; v1(35.4,2.5) 35.4,3.1 40.721,8.421 40.721,15.544 32.287,23.977 26.123,23.977 22.673,27.427 22.673,29.1
pads on no net: FID1. FID2. FID3. FID4. FID5. FID6. Hole1. Hole2. Hole3. J1.A8 J1.B8 J1.MH J1.MP@1.55,20.475 J1.MP@1.55,29.125 J1.MP@5.73,20.475 J1.MP@5.73,29.125 J4. J4.1 J4.3 J4.6 J5. J5.6 J7. J12.12 M1.1 M1.2 M1.3 M1.4 M1.7 M1.8 M1.11 M1.12 M1.13 M1.A1 M1.A2 M1.A3 M1.A4 M1.A5 M1.A6 M1.B1 M1.B2 M1.B3 M1.B4 M1.B5 M1.B6 M1.C1 M1.C2 M1.C3 M1.C4 M1.C5 M1.C6 M1.D1 M1.D2 M1.D3 M1.D4 M1.D5 M1.D6 M1.E1 M1.E3 M1.E4 M1.E5 M1.E6 M1.F3 M1.F5 M1.F6 M1.Z1 M1.Z2 M1.Z3 M1.Z4 M1.Z5 M1.Z6 M2.4 M2.7 M2.9 M2.10 M2.13 M2.15 M2.16 M2.17 M2.18 M2.19 M2.20 M2.21 M2.24 M2.25 M2.26 M2.27 M2.28 M2.29 M2.32 M2.33 M2.34 M2.35 U1.11 U1.14 U1.15 U1.17 U1.19 U1.20 U7.2 U7.3 U7.9 U7.11 U7.13 U7.15 U7.16 U8.5

## Polygon pours and split planes (outlines as drawn)
GND on Top Layer "NONET_L-01_P-001" (solid, pour order 7): 0,0 0,65 72.8,65 72.8,0
NetD5_2 on Top Layer "NONET_L-01_P-001" (solid, pour order 2): 44.067,25.9 34,25.9 cw(c34,26.3) 33.6,26.3 33.6,31.9 cw(c34,31.9) 34,32.3 44.067,32.3
+24V on Top Layer "NONET_L-01_P-001" (solid, pour order 6): 50,34.4 39.4,34.4 cw(c39.4,34.6) 39.2,34.6 39.2,36.9 cw(c39.4,36.9) 39.4,37.1 49.8,37.1 cw(c49.8,36.9) 50,36.9
+3.3V on Top Layer "NONET_L-01_P-001" (solid, pour order 1): 30.7,10.8 24.4,10.8 24.4,12.1 22.9,12.1 cw(c22.9,12.5) 22.5,12.5 22.5,16 cw(c23,16) 23,16.5 30,16.5 cw(c30,15.8) 30.7,15.8
NetC24_1 on Top Layer "NONET_L-01_P-001" (solid, pour order 0): 21.4,7.2 ccw(c21.743,7.243) 21.786,6.9 30.1,6.9 ccw(c30.046,7.554) 30.7,7.5 30.7,10.7 24.4,10.7 24.4,9 22.5,9 cw(c22.5,9.2) 22.3,9.2 22.3,10.1 ccw(c22.2,10.1) 22.2,10.2 21.5,10.2 ccw(c21.5,10.1) 21.4,10.1
+3.3V on Bottom Layer "NONET_L-01_P-001" (solid, pour order 8): 0,0 0,65 72.8,65 72.8,0
GND on Bottom Layer "NONET_L-01_P-001" (solid, pour order 5): 14.4,0 14.4,18.3 34,18.3 34,0
GND on Signal Layer 2 "NONET_L-01_P-001" (solid, pour order 4): 0,0 0,65 72.8,65 72.8,0
GND on Signal Layer 1 "NONET_L-01_P-001" (solid, pour order 3): 0,0 0,65 72.8,65 72.8,0

## Other copper
Top Layer:
  pour cut-out: 65,65 65,59.2 49.5,59.2 49.5,51.4 24,51.4 24,65
Signal Layer 2:
  pour cut-out: 65,65 65,59.2 49.5,59.2 49.5,51.4 24,51.4 24,65
Signal Layer 1:
  pour cut-out: 65,65 65,59.2 49.5,59.2 49.5,51.4 24,51.4 24,65
Bottom Layer:
  pour cut-out: 65,65 65,59.2 49.5,59.2 49.5,51.4 24,51.4 24,65

## Silkscreen, mask and mechanical layers (free items; w line width, h text height)
Top Overlay:
  region: 23.1,53.2 18.1,53.2 18.1,48.2 23.1,48.2
  text "PXZ120I1/2" at 2.746,41.47 h1.7 r90
Bottom Overlay:
  rectangle: 58.5,58.5 63.5,63.5
  lines w0.2: 6.46,52.208 7,52.8 ; 6.568,49.469 7,50 ; 6.732,46.506 7.4,46.9 ; 9.2,48.3 10.05,48.224 ; 9.6,54.9 10.225,55.24 ; 9.8,52.3 10.293,52.78 ; 13.728,51.453 14.3,51.9
  text "-" at 9.663,63.006 h3
  text "'.Client'" at 44.154,62.238 h2
  text "TX" at 22.26,61.985 h2 r270
  text "RX" at 23.86,61.835 h2 r270
  text "GND" at 25.46,60.409 h2 r270
  text "'.Project' '.Revision'" at 46.317,60.227 h2
  text "+" at 9.934,60.056 h3
  text ".Print_Date" at 43.405,58.069 h2
  text "GND" at 9.695,54.344 h1.5 r40
  text "PWM" at 17.636,51.92 h1.5
  text "STAT" at 9.887,51.805 h1.5 r40
  text "EN" at 9.239,47.761 h1.5 r40
  text "+12V" at 13.6,43.718 h1.5
  text "+24V" at 6.5,41.818 h1.5
  text "RP2040 Reset" at 52.553,25 h1.5 r270
  text "ESP32 Boot" at 60.493,14.553 h1.5
  text "Pi Boot" at 51.796,11.977 h1.5
  text "-" at 7.4,11.4 h3
  text "+" at 13.4,11.4 h3
  text "EN / Boot / TX / RX / GND / +3.3V" at 64.7,10.176 h1.2
  text "+12V In" at 1.197,5.858 h2.5 r270

## Text inside footprints (layer, text, board x,y; h text height)
C55: Top Overlay "+" at 11.134,34.4 h2 r180; Top Overlay "-" at 0.534,34.4 h2 r180
C56: Top Overlay "+" at 12.266,39.8 h2; Top Overlay "-" at 22.866,39.8 h2
J2: Top Overlay "1" at 5.5,40.733 h1 r90; Top Overlay "4" at 1.6,53.067 h1 r90
J6: Top Overlay "1" at 10.1,42.533 h1 r90; Top Overlay "5" at 9.9,58.667 h1 r90
J7: Top Overlay "1" at 1.8,63 h1 r90
J8: Top Overlay "TX" at 58.3,44.6 h1; Top Overlay "RX" at 58.3,42.06 h1; Top Overlay "OUT" at 58.3,39.52 h1; Top Overlay "GND" at 58.3,36.98 h1; Top Overlay "VCC" at 58.3,34.44 h1
J10: Top Overlay "1" at 9.9,63.5 h1 r90
J12: Top Overlay "1" at 39.673,11.4 h1; Top Overlay "15" at 31.69,11.4 h1
M1: Top 3D Body "No ground pad" at 33.799,60.375 h0.45
U7: Top Overlay "Z" at 32.461,36.42 h1.5; Top Overlay "X" at 30.6,36.52 h1.5; Top Overlay "Y" at 33.501,33.42 h1.5